# Allegro board meta_module_lay_rev1.brd (continued)
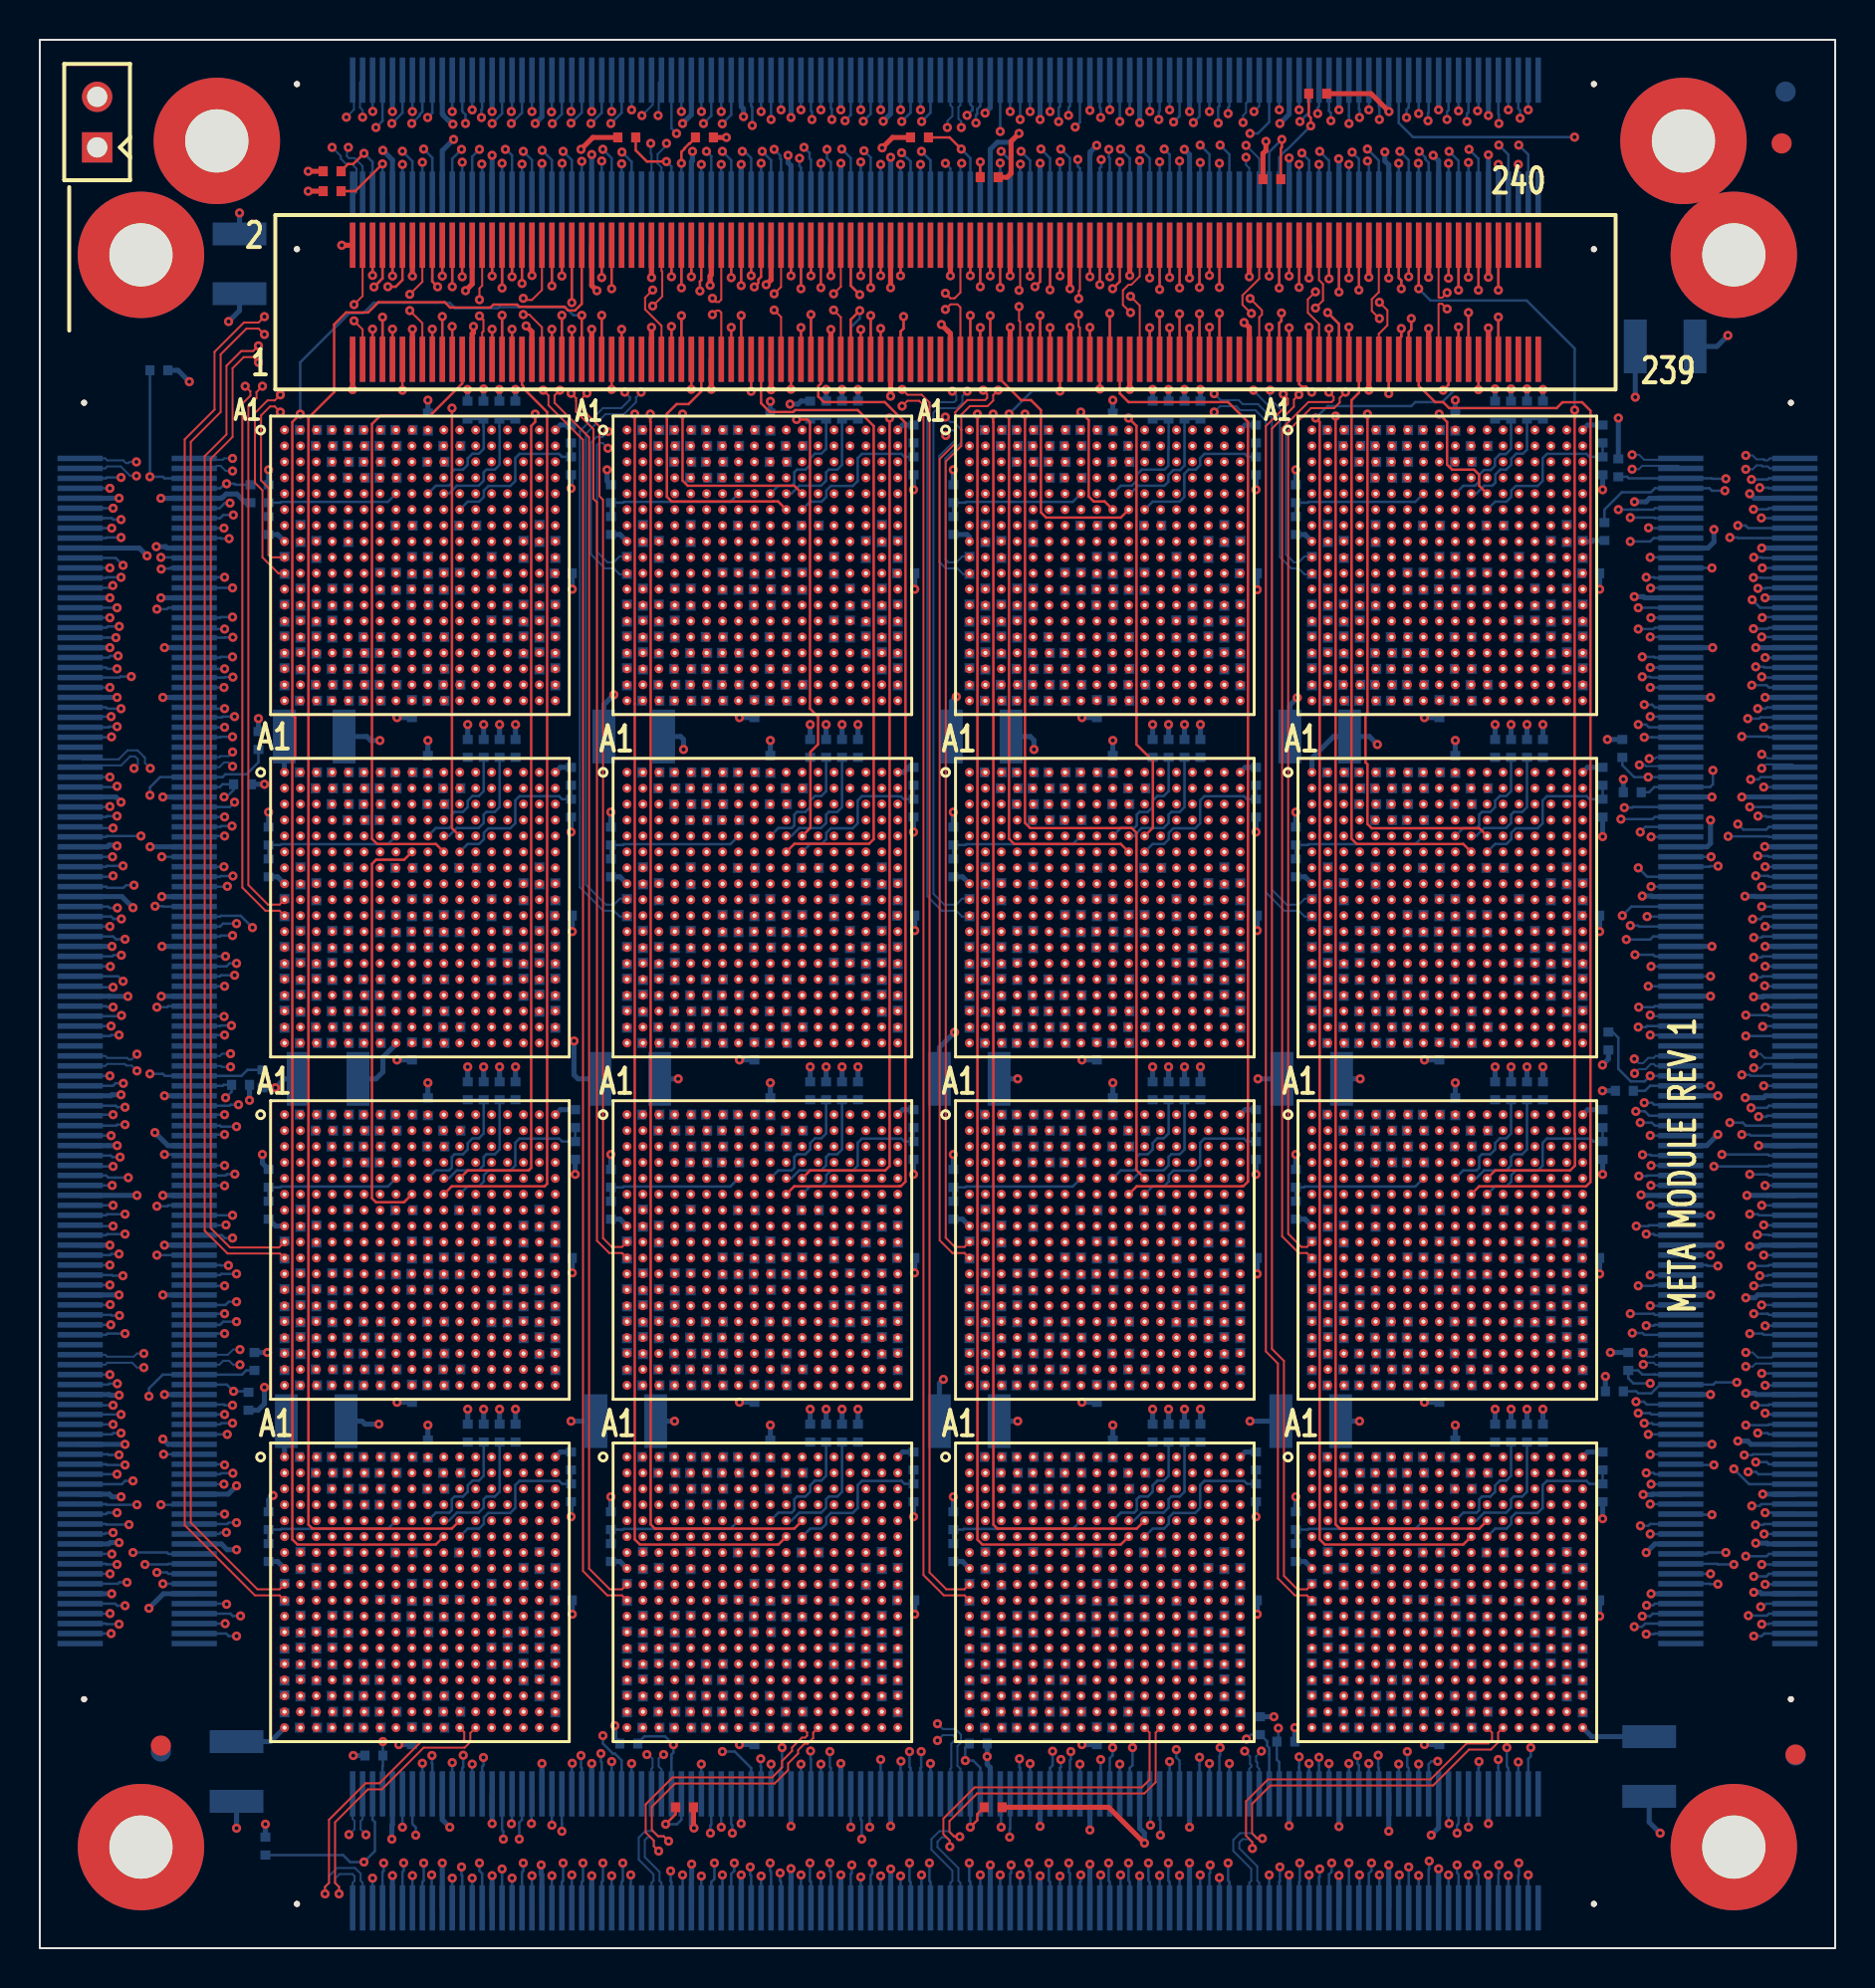
[diagram p0: board, top side]
## Routing (per net, layer and track width the routed paths; a pad name or vN(x,y) marks a point on that pad's centre or on a via; arc(x,y) is an arc through that point) (continued)
SN_DATA_N31: length 12.6
  SIGNAL_L12 w0.083: U6.V17 75.88,44.67 75.88,43.68 74.68,42.48 74.68,40.88 74.51,40.71 74.2,40.71 73.92,40.43 73.92,40.19 73.61,39.88 70.17,39.88 69.92,39.63 69.92,39.33 69.68,39.09 69.08,39.09 U13.D7
SN_DATA_P0: length 10.3
  SIGNAL_L6 w0.083: U11.A3 16.1,44.09 18.89,44.09 19.91,45.11 19.91,47.5 U4.R11
SN_DATA_P0_SNOW4-1: length 10.3
  SIGNAL_L6 w0.083: U4.A3 16.27,61.46 19.06,61.46 19.91,62.31 19.91,64.7 U3.R11
SN_DATA_P0_SNOW4-2: length 10.3
  SIGNAL_L6 w0.083: U7.R11 54.31,64.7 54.31,62.31 53.29,61.29 51.52,61.29 49.67,59.45 48.66,59.45 U8.A3
SN_DATA_P0_SNOW4-3: length 10.3
  SIGNAL_L6 w0.083: U11.R11 19.91,30.3 19.91,27.91 18.89,26.89 16.1,26.89 U12.A3
SN_DATA_P0_SNOW4-4: length 10.3
  SIGNAL_L6 w0.083: U15.R11 54.31,30.3 54.31,27.91 53.29,26.89 51.49,26.89 49.65,25.05 48.66,25.05 U16.A3
SN_DATA_P1: length 13.4
  SIGNAL_L3 w0.083: U4.T12 20.67,47.5 14.57,47.5 14.31,47.24 14.31,41.46 14.43,41.34 U11.B4
SN_DATA_P1_SNOW4-1: length 13.4
  SIGNAL_L3 w0.083: U3.T12 20.67,64.7 14.57,64.7 14.31,64.44 14.31,64.11 14.3,64.1 14.3,63.89 14.29,63.88 14.29,58.68 U4.B4
SN_DATA_P1_SNOW4-2: length 13.4
  SIGNAL_L3 w0.083: U7.T12 55.07,64.7 48.97,64.7 48.71,64.44 48.71,64.11 48.7,64.1 48.7,63.89 48.69,63.88 48.69,58.68 U8.B4
SN_DATA_P1_SNOW4-3: length 13.4
  SIGNAL_L3 w0.083: U11.T12 20.67,30.3 14.57,30.3 14.31,30.04 14.31,24.26 14.43,24.14 U12.B4
SN_DATA_P1_SNOW4-4: length 13.4
  SIGNAL_L3 w0.083: U15.T12 55.07,30.3 48.97,30.3 48.7,30.03 48.7,24.27 48.83,24.14 U16.B4
SN_DATA_P2: length 16
  SIGNAL_L6 w0.083: U11.C5 15.09,40.68 15.09,41.22 15.33,41.46 20.45,41.46 20.69,41.22 20.69,40.88 20.89,40.68 22.88,40.68 23.09,40.89 23.09,42.49 21.9,43.68 21.9,44.7 22.29,45.09 22.29,45.88 U4.U13
SN_DATA_P2_SNOW4-1: length 16
  SIGNAL_L6 w0.083: U3.U13 22.29,63.08 22.29,62.29 21.9,61.9 21.9,60.88 23.09,59.69 23.09,58.09 22.88,57.88 20.89,57.88 20.69,58.09 20.69,58.42 20.45,58.66 15.33,58.66 15.09,58.42 15.09,57.88 U4.C5
SN_DATA_P2_SNOW4-2: length 16
  SIGNAL_L6 w0.083: U8.C5 49.49,57.88 49.49,58.42 49.73,58.66 54.85,58.66 55.09,58.42 55.09,58.09 55.29,57.88 57.28,57.88 57.49,58.09 57.49,59.69 56.3,60.88 56.3,61.9 56.69,62.29 56.69,63.08 U7.U13
SN_DATA_P2_SNOW4-3: length 16
  SIGNAL_L6 w0.083: U12.C5 15.09,23.48 15.09,24.02 15.33,24.26 20.45,24.26 20.69,24.02 20.69,23.69 20.89,23.48 22.88,23.48 23.09,23.69 23.09,25.29 21.9,26.48 21.9,27.5 22.29,27.89 22.29,28.68 U11.U13
SN_DATA_P2_SNOW4-4: length 16
  SIGNAL_L6 w0.083: U16.C5 49.49,23.48 49.49,24.02 49.73,24.26 54.85,24.26 55.09,24.02 55.09,23.69 55.29,23.48 57.28,23.48 57.49,23.69 57.49,25.29 56.3,26.48 56.3,27.5 56.69,27.89 56.69,28.68 U15.U13
SN_DATA_P3: length 13.5
  SIGNAL_L3 w0.083: U11.D6 15.89,39.88 15.89,45.77 16.01,45.88 22.29,45.88 U4.V14
SN_DATA_P3_SNOW4-1: length 13.5
  SIGNAL_L3 w0.083: U3.V14 22.29,63.08 16.01,63.08 15.89,62.97 15.89,57.08 U4.D6
SN_DATA_P3_SNOW4-2: length 13.5
  SIGNAL_L3 w0.083: U8.D6 50.3,57.07 50.3,62.98 50.41,63.08 56.69,63.08 U7.V14
SN_DATA_P3_SNOW4-3: length 13.5
  SIGNAL_L3 w0.083: U12.D6 15.89,22.68 15.89,28.57 16.01,28.68 22.29,28.68 U11.V14
SN_DATA_P3_SNOW4-4: length 13.5
  SIGNAL_L3 w0.083: U16.D6 50.29,22.68 50.29,28.57 50.41,28.68 56.69,28.68 U15.V14
SN_DATA_P4: length 13.4
  SIGNAL_L12 w0.083: U11.A5 15.49,42.87 14.28,44.08 14.28,46.39 14.6,46.71 14.84,46.71 15.12,46.99 15.12,47.23 15.4,47.51 21.52,47.51 U4.R13
SN_DATA_P4_SNOW4-1: length 13.4
  SIGNAL_L12 w0.083: U3.R13 21.52,64.71 15.4,64.71 15.12,64.43 15.12,64.19 14.84,63.91 14.6,63.91 14.28,63.59 14.28,61.28 15.49,60.07 U4.A5
SN_DATA_P4_SNOW4-2: length 13.4
  SIGNAL_L12 w0.083: U7.R13 55.92,64.71 49.8,64.71 49.52,64.43 49.52,64.19 49.24,63.91 49,63.91 48.68,63.59 48.68,60.29 U8.A5
SN_DATA_P4_SNOW4-3: length 13.4
  SIGNAL_L12 w0.083: U11.R13 21.52,30.31 15.4,30.31 15.12,30.03 15.12,29.79 14.84,29.51 14.6,29.51 14.28,29.19 14.28,26.88 15.49,25.67 U12.A5
SN_DATA_P4_SNOW4-4: length 13.4
  SIGNAL_L12 w0.083: U15.R13 55.92,30.31 49.8,30.31 49.52,30.03 49.52,29.79 49.24,29.51 49,29.51 48.68,29.19 48.68,25.89 U16.A5
SN_DATA_P5: length 12.6
  SIGNAL_L12 w0.083: U4.T14 22.32,46.71 21.8,46.71 21.46,46.37 21.46,46.13 21.21,45.88 16.08,45.88 15.88,45.68 15.88,44.08 16.66,43.3 16.66,41.45 U11.B6
SN_DATA_P5_SNOW4-1: length 12.6
  SIGNAL_L12 w0.083: U4.B6 16.66,58.65 16.66,60.5 15.88,61.28 15.88,62.88 16.08,63.08 21.21,63.08 21.46,63.33 21.46,63.57 21.8,63.91 22.32,63.91 U3.T14
SN_DATA_P5_SNOW4-2: length 12.6
  SIGNAL_L12 w0.083: U8.B6 51.06,58.65 51.06,60.5 50.28,61.28 50.28,62.88 50.48,63.08 55.61,63.08 55.86,63.33 55.86,63.57 56.2,63.91 56.72,63.91 U7.T14
SN_DATA_P5_SNOW4-3: length 12.6
  SIGNAL_L12 w0.083: U12.B6 16.66,24.25 16.66,26.1 15.88,26.88 15.88,28.48 16.08,28.68 21.21,28.68 21.46,28.93 21.46,29.17 21.8,29.51 22.32,29.51 U11.T14
SN_DATA_P5_SNOW4-4: length 12.6
  SIGNAL_L12 w0.083: U16.B6 51.06,24.25 51.06,26.1 50.28,26.88 50.28,28.48 50.48,28.68 55.61,28.68 55.86,28.93 55.86,29.17 56.2,29.51 56.72,29.51 U15.T14
SN_DATA_P6: length 15.8
  SIGNAL_L6 w0.083: U4.U15 23.89,45.88 23.89,45.09 23.5,44.7 23.5,43.46 24.69,42.27 24.69,40.94 24.44,40.69 24.16,40.69 23.89,40.42 23.89,40.09 23.69,39.89 23.29,39.89 23.09,39.69 23.09,39.29 22.89,39.09 17.6,39.09 17.49,39.2 17.49,39.88 U11.C7
SN_DATA_P6_SNOW4-1: length 15.8
  SIGNAL_L6 w0.083: U4.C7 17.49,57.08 17.49,56.4 17.6,56.29 22.89,56.29 23.09,56.49 23.09,56.89 23.29,57.09 23.69,57.09 23.89,57.29 23.89,57.62 24.16,57.89 24.44,57.89 24.69,58.14 24.69,59.47 23.5,60.66 23.5,61.9 23.89,62.29 23.89,63.08 U3.U15
SN_DATA_P6_SNOW4-2: length 15.8
  SIGNAL_L6 w0.083: U8.C7 51.89,57.08 51.89,56.4 52,56.29 57.29,56.29 57.49,56.49 57.49,56.89 57.69,57.09 58.09,57.09 58.29,57.29 58.29,57.62 58.56,57.89 58.84,57.89 59.09,58.14 59.09,59.47 57.9,60.66 57.9,61.9 58.29,62.29 58.29,63.08 U7.U15
SN_DATA_P6_SNOW4-3: length 15.8
  SIGNAL_L6 w0.083: U12.C7 17.49,22.68 17.49,22 17.6,21.89 22.89,21.89 23.09,22.09 23.09,22.49 23.29,22.69 23.69,22.69 23.89,22.89 23.89,23.22 24.16,23.49 24.44,23.49 24.69,23.74 24.69,25.07 23.5,26.26 23.5,27.5 23.89,27.89 23.89,28.68 U11.U15
SN_DATA_P6_SNOW4-4: length 15.8
  SIGNAL_L6 w0.083: U16.C7 51.89,22.68 51.89,22 52,21.89 57.29,21.89 57.49,22.09 57.49,22.49 57.69,22.69 58.09,22.69 58.29,22.89 58.29,23.22 58.56,23.49 58.84,23.49 59.09,23.74 59.09,25.07 57.9,26.26 57.9,27.5 58.29,27.89 58.29,28.68 U15.U15
SN_DATA_P7: length 10.7
  SIGNAL_L12 w0.083: U4.V16 23.48,44.67 23.48,43.88 22.28,42.68 22.28,40.88 22.06,40.66 18.53,40.66 18.28,40.4 18.28,39.87 U11.D8
SN_DATA_P7_SNOW4-1: length 10.7
  SIGNAL_L12 w0.083: U4.D8 18.28,57.07 18.28,57.6 18.53,57.86 22.06,57.86 22.28,58.08 22.28,59.88 23.48,61.08 23.48,61.87 U3.V16
SN_DATA_P7_SNOW4-2: length 10.7
  SIGNAL_L12 w0.083: U8.D8 52.68,57.07 52.68,57.6 52.93,57.86 56.46,57.86 56.68,58.08 56.68,59.88 57.88,61.08 57.88,61.87 U7.V16
SN_DATA_P7_SNOW4-3: length 10.7
  SIGNAL_L12 w0.083: U11.V16 23.48,27.47 23.48,26.68 22.32,25.52 22.32,23.72 22.06,23.46 18.53,23.46 18.28,23.2 18.28,22.67 U12.D8
SN_DATA_P7_SNOW4-4: length 10.7
  SIGNAL_L12 w0.083: U15.V16 57.88,27.47 57.88,26.68 56.68,25.48 56.68,23.68 56.46,23.46 52.93,23.46 52.68,23.2 52.68,22.67 U16.D8
SN_DATA_P8: length 10.3
  SIGNAL_L6 w0.083: U9.A3 31.46,42.25 32.1,42.25 33.94,44.09 36.09,44.09 37.11,45.11 37.11,47.5 U2.R11
SN_DATA_P8_SNOW4-1: length 10.3
  SIGNAL_L6 w0.083: U2.A3 31.46,59.45 32.3,59.45 34.14,61.29 36.09,61.29 37.11,62.31 37.11,64.7 U1.R11
SN_DATA_P8_SNOW4-2: length 10.3
  SIGNAL_L6 w0.083: U5.R11 71.51,64.7 71.51,62.31 70.49,61.29 68.69,61.29 66.85,59.45 65.86,59.45 U6.A3
SN_DATA_P8_SNOW4-3: length 10.3
  SIGNAL_L6 w0.083: U9.R11 37.11,30.3 37.11,27.91 36.09,26.89 34.14,26.89 32.3,25.05 31.46,25.05 U10.A3
SN_DATA_P8_SNOW4-4: length 10.2
  SIGNAL_L6 w0.083: U14.A3 65.86,25.05 66.65,25.05 68.49,26.89 70.29,26.89 71.51,28.11 71.51,30.3 U13.R11
SN_DATA_P9: length 13.4
  SIGNAL_L3 w0.083: U2.T12 37.87,47.5 31.77,47.5 31.5,47.23 31.5,41.47 31.63,41.34 U9.B4
SN_DATA_P9_SNOW4-1: length 13.4
  SIGNAL_L3 w0.083: U2.B4 31.49,58.68 31.49,63.88 31.5,63.89 31.5,64.1 31.51,64.11 31.51,64.44 31.77,64.7 37.87,64.7 U1.T12
SN_DATA_P9_SNOW4-2: length 13.4
  SIGNAL_L3 w0.083: U5.T12 72.27,64.7 66.17,64.7 65.91,64.44 65.91,64.11 65.9,64.1 65.9,63.89 65.89,63.88 65.89,58.68 U6.B4
SN_DATA_P9_SNOW4-3: length 13.4
  SIGNAL_L3 w0.083: U10.B4 31.63,24.14 31.5,24.27 31.5,30.03 31.77,30.3 37.87,30.3 U9.T12
SN_DATA_P9_SNOW4-4: length 13.4
  SIGNAL_L3 w0.083: U14.B4 66.03,24.14 65.88,24.29 65.88,30.01 66.17,30.3 72.27,30.3 U13.T12
SN_DATA_P10: length 16
  SIGNAL_L6 w0.083: U9.C5 32.29,40.68 32.29,41.22 32.53,41.46 37.65,41.46 37.89,41.22 37.89,40.88 38.09,40.68 40.08,40.68 40.29,40.89 40.29,42.49 39.1,43.68 39.1,44.7 39.49,45.09 39.49,45.88 U2.U13
SN_DATA_P10_SNOW4-1: length 16
  SIGNAL_L6 w0.083: U2.C5 32.29,57.88 32.29,58.42 32.53,58.66 37.65,58.66 37.89,58.42 37.89,58.09 38.09,57.88 40.08,57.88 40.29,58.09 40.29,59.69 39.1,60.88 39.1,61.9 39.49,62.29 39.49,63.08 U1.U13
SN_DATA_P10_SNOW4-2: length 16
  SIGNAL_L6 w0.083: U6.C5 66.69,57.88 66.69,58.42 66.93,58.66 72.05,58.66 72.29,58.42 72.29,58.09 72.49,57.88 74.48,57.88 74.69,58.09 74.69,59.69 73.5,60.88 73.5,61.9 73.89,62.29 73.89,63.08 U5.U13
SN_DATA_P10_SNOW4-3: length 16
  SIGNAL_L6 w0.083: U10.C5 32.29,23.48 32.29,24.02 32.53,24.26 37.65,24.26 37.89,24.02 37.89,23.69 38.09,23.48 40.08,23.48 40.29,23.69 40.29,25.29 39.1,26.48 39.1,27.5 39.49,27.89 39.49,28.68 U9.U13
SN_DATA_P10_SNOW4-4: length 16
  SIGNAL_L6 w0.083: U13.U13 73.89,28.68 73.89,27.89 73.5,27.5 73.5,26.48 74.69,25.29 74.69,23.69 74.48,23.48 72.49,23.48 72.29,23.69 72.29,24.02 72.05,24.26 66.93,24.26 66.69,24.02 66.69,23.48 U14.C5
SN_DATA_P11: length 13.5
  SIGNAL_L3 w0.083: U2.V14 39.49,45.88 33.21,45.88 33.09,45.77 33.09,39.88 U9.D6
SN_DATA_P11_SNOW4-1: length 13.5
  SIGNAL_L3 w0.083: U2.D6 33.09,57.08 33.09,62.97 33.21,63.08 39.49,63.08 U1.V14
SN_DATA_P11_SNOW4-2: length 13.5
  SIGNAL_L3 w0.083: U6.D6 67.49,57.08 67.49,59.49 67.58,59.58 67.58,62.13 67.48,62.23 67.48,62.95 67.61,63.08 73.89,63.08 U5.V14
SN_DATA_P11_SNOW4-3: length 13.5
  SIGNAL_L3 w0.083: U10.D6 33.09,22.68 33.09,28.57 33.21,28.68 39.49,28.68 U9.V14
SN_DATA_P11_SNOW4-4: length 13.5
  SIGNAL_L3 w0.083: U14.D6 67.49,22.68 67.49,28.57 67.61,28.68 73.89,28.68 U13.V14
SN_DATA_P12: length 13.4
  SIGNAL_L12 w0.083: U9.A5 31.48,43.09 31.48,46.39 31.8,46.71 32.04,46.71 32.32,46.99 32.32,47.23 32.6,47.51 38.72,47.51 U2.R13
SN_DATA_P12_SNOW4-1: length 13.4
  SIGNAL_L12 w0.083: U2.A5 31.48,60.29 31.48,63.59 31.8,63.91 32.04,63.91 32.32,64.19 32.32,64.43 32.6,64.71 38.72,64.71 U1.R13
SN_DATA_P12_SNOW4-2: length 13.4
  SIGNAL_L12 w0.083: U5.R13 73.12,64.71 67,64.71 66.72,64.43 66.72,64.19 66.44,63.91 66.2,63.91 65.88,63.59 65.88,60.29 U6.A5
SN_DATA_P12_SNOW4-3: length 13.4
  SIGNAL_L12 w0.083: U10.A5 31.48,25.89 31.48,29.19 31.8,29.51 32.04,29.51 32.32,29.79 32.32,30.03 32.6,30.31 38.72,30.31 U9.R13
SN_DATA_P12_SNOW4-4: length 13.4
  SIGNAL_L12 w0.083: U13.R13 73.12,30.31 67,30.31 66.72,30.03 66.72,29.79 66.44,29.51 66.2,29.51 65.88,29.19 65.88,25.89 U14.A5
SN_DATA_P13: length 12.6
  SIGNAL_L12 w0.083: U9.B6 33.86,41.45 33.86,43.3 33.08,44.08 33.08,45.68 33.28,45.88 38.41,45.88 38.66,46.13 38.66,46.37 39,46.71 39.52,46.71 U2.T14
SN_DATA_P13_SNOW4-1: length 12.6
  SIGNAL_L12 w0.083: U2.B6 33.86,58.65 33.86,60.5 33.08,61.28 33.08,62.88 33.28,63.08 38.41,63.08 38.66,63.33 38.66,63.57 39,63.91 39.52,63.91 U1.T14
SN_DATA_P13_SNOW4-2: length 12.6
  SIGNAL_L12 w0.083: U6.B6 68.26,58.65 68.26,61 67.48,61.78 67.48,62.88 67.68,63.08 72.81,63.08 73.06,63.33 73.06,63.57 73.4,63.91 73.92,63.91 U5.T14
SN_DATA_P13_SNOW4-3: length 12.6
  SIGNAL_L12 w0.083: U9.T14 39.52,29.51 39,29.51 38.66,29.17 38.66,28.93 38.41,28.68 33.28,28.68 33.08,28.48 33.08,26.88 33.86,26.1 33.86,24.25 U10.B6
SN_DATA_P13_SNOW4-4: length 12.6
  SIGNAL_L12 w0.083: U13.T14 73.92,29.51 73.4,29.51 73.06,29.17 73.06,28.93 72.81,28.68 67.68,28.68 67.48,28.48 67.48,26.88 68.26,26.1 68.26,24.25 U14.B6
SN_DATA_P14: length 15.8
  SIGNAL_L6 w0.083: U9.C7 34.69,39.88 34.69,39.2 34.8,39.09 40.09,39.09 40.29,39.29 40.29,39.69 40.49,39.89 40.89,39.89 41.09,40.09 41.09,40.42 41.36,40.69 41.64,40.69 41.89,40.94 41.89,42.27 40.7,43.46 40.7,44.7 41.09,45.09 41.09,45.88 U2.U15
SN_DATA_P14_SNOW4-1: length 15.8
  SIGNAL_L6 w0.083: U1.U15 41.09,63.08 41.09,62.29 40.7,61.9 40.7,60.66 41.89,59.47 41.89,58.14 41.64,57.89 41.36,57.89 41.09,57.62 41.09,57.29 40.89,57.09 40.49,57.09 40.29,56.89 40.29,56.49 40.09,56.29 34.8,56.29 34.69,56.4 34.69,57.08 U2.C7
SN_DATA_P14_SNOW4-2: length 15.8
  SIGNAL_L6 w0.083: U5.U15 75.49,63.08 75.49,62.29 75.1,61.9 75.1,60.66 76.29,59.47 76.29,58.14 76.04,57.89 75.76,57.89 75.49,57.62 75.49,57.29 75.29,57.09 74.89,57.09 74.69,56.89 74.69,56.49 74.49,56.29 69.2,56.29 69.09,56.4 69.09,57.08 U6.C7
SN_DATA_P14_SNOW4-3: length 15.8
  SIGNAL_L6 w0.083: U10.C7 34.69,22.68 34.69,22 34.8,21.89 40.09,21.89 40.29,22.09 40.29,22.49 40.49,22.69 40.89,22.69 41.09,22.89 41.09,23.22 41.36,23.49 41.64,23.49 41.89,23.74 41.89,25.07 40.7,26.26 40.7,27.5 41.09,27.89 41.09,28.68 U9.U15
SN_DATA_P14_SNOW4-4: length 15.8
  SIGNAL_L6 w0.083: U13.U15 75.49,28.68 75.49,27.89 75.1,27.5 75.1,26.26 76.29,25.07 76.29,23.74 76.04,23.49 75.76,23.49 75.49,23.22 75.49,22.89 75.29,22.69 74.89,22.69 74.69,22.49 74.69,22.09 74.49,21.89 69.2,21.89 69.09,22 69.09,22.68 U14.C7
SN_DATA_P15: length 10.7
  SIGNAL_L12 w0.083: U2.V16 40.68,44.67 40.68,43.88 39.48,42.68 39.48,40.88 39.26,40.66 35.73,40.66 35.48,40.4 35.48,39.87 U9.D8
SN_DATA_P15_SNOW4-1: length 10.7
  SIGNAL_L12 w0.083: U1.V16 40.68,61.87 40.68,61.08 39.48,59.88 39.48,58.08 39.26,57.86 35.73,57.86 35.48,57.6 35.48,57.07 U2.D8
SN_DATA_P15_SNOW4-2: length 10.7
  SIGNAL_L12 w0.083: U5.V16 75.08,61.87 75.08,61.08 73.88,59.88 73.88,58.08 73.66,57.86 70.13,57.86 69.88,57.6 69.88,57.07 U6.D8
SN_DATA_P15_SNOW4-3: length 10.7
  SIGNAL_L12 w0.083: U10.D8 35.48,22.67 35.48,23.2 35.73,23.46 39.26,23.46 39.48,23.68 39.48,25.48 40.68,26.68 40.68,27.47 U9.V16
SN_DATA_P15_SNOW4-4: length 10.7
  SIGNAL_L12 w0.083: U13.V16 75.08,27.47 75.08,26.68 73.88,25.48 73.88,23.68 73.66,23.46 70.13,23.46 69.88,23.2 69.88,22.67 U14.D8
SN_DATA_P16: length 10.3
  SIGNAL_L6 w0.083: U15.A3 48.66,42.25 49.55,42.25 51.39,44.09 53.29,44.09 54.31,45.11 54.31,47.5 U8.R11
SN_DATA_P17: length 13.4
  SIGNAL_L3 w0.083: U8.T12 55.07,47.5 48.97,47.5 48.7,47.23 48.7,43.88 48.66,43.83 48.66,43.53 48.7,43.48 48.7,41.47 48.83,41.34 U15.B4
SN_DATA_P18: length 16
  SIGNAL_L6 w0.083: U8.U13 56.69,45.88 56.69,45.09 56.3,44.7 56.3,43.68 57.49,42.49 57.49,40.89 57.28,40.68 55.29,40.68 55.09,40.88 55.09,41.22 54.85,41.46 49.73,41.46 49.49,41.22 49.49,40.68 U15.C5
SN_DATA_P19: length 13.5
  SIGNAL_L3 w0.083: U15.D6 50.29,39.88 50.29,45.77 50.41,45.88 56.69,45.88 U8.V14
SN_DATA_P20: length 13.4
  SIGNAL_L12 w0.083: U8.R13 55.92,47.51 49.8,47.51 49.52,47.23 49.52,46.99 49.24,46.71 49,46.71 48.68,46.39 48.68,43.86 48.66,43.83 48.66,43.53 48.68,43.5 48.68,43.09 U15.A5
SN_DATA_P21: length 12.6
  SIGNAL_L12 w0.083: U8.T14 56.72,46.71 56.2,46.71 55.86,46.37 55.86,46.13 55.61,45.88 50.48,45.88 50.28,45.68 50.28,44.08 51.06,43.3 51.06,41.45 U15.B6
SN_DATA_P22: length 15.8
  SIGNAL_L6 w0.083: U15.C7 51.89,39.88 51.89,39.2 52,39.09 57.29,39.09 57.49,39.29 57.49,39.69 57.69,39.89 58.09,39.89 58.29,40.09 58.29,40.42 58.56,40.69 58.84,40.69 59.09,40.94 59.09,42.27 57.9,43.46 57.9,44.7 58.29,45.09 58.29,45.88 U8.U15
SN_DATA_P23: length 10.7
  SIGNAL_L12 w0.083: U8.V16 57.88,44.67 57.88,43.88 56.68,42.68 56.68,40.88 56.46,40.66 52.93,40.66 52.68,40.4 52.68,39.87 U15.D8
SN_DATA_P24: length 10.3
  SIGNAL_L6 w0.083: U6.R11 71.51,47.5 71.51,45.11 70.49,44.09 68.34,44.09 66.5,42.25 65.86,42.25 U13.A3
SN_DATA_P25: length 13.4
  SIGNAL_L3 w0.083: U6.T12 72.27,47.5 66.17,47.5 65.9,47.23 65.9,43.88 65.86,43.83 65.86,43.53 65.9,43.48 65.9,41.47 66.03,41.34 U13.B4
SN_DATA_P26: length 16
  SIGNAL_L6 w0.083: U6.U13 73.89,45.88 73.89,45.09 73.5,44.7 73.5,43.68 74.69,42.49 74.69,40.89 74.48,40.68 72.49,40.68 72.29,40.88 72.29,41.22 72.05,41.46 66.93,41.46 66.69,41.22 66.69,40.68 U13.C5
SN_DATA_P27: length 13.5
  SIGNAL_L3 w0.083: U6.V14 73.89,45.88 67.61,45.88 67.49,45.77 67.49,39.88 U13.D6
SN_DATA_P28: length 13.4
  SIGNAL_L12 w0.083: U6.R13 73.12,47.51 67,47.51 66.72,47.23 66.72,46.99 66.44,46.71 66.2,46.71 65.88,46.39 65.88,43.86 65.86,43.83 65.86,43.53 65.88,43.5 65.88,43.09 U13.A5
SN_DATA_P29: length 12.6
  SIGNAL_L12 w0.083: U6.T14 73.92,46.71 73.4,46.71 73.06,46.37 73.06,46.13 72.81,45.88 67.68,45.88 67.48,45.68 67.48,44.08 68.26,43.3 68.26,41.45 U13.B6
SN_DATA_P30: length 15.8
  SIGNAL_L6 w0.083: U6.U15 75.49,45.88 75.49,45.09 75.1,44.7 75.1,43.46 76.29,42.27 76.29,40.94 76.04,40.69 75.76,40.69 75.49,40.42 75.49,40.09 75.29,39.89 74.89,39.89 74.69,39.69 74.69,39.29 74.49,39.09 69.2,39.09 69.09,39.2 69.09,39.88 U13.C7
SN_DATA_P31: length 10.7
  SIGNAL_L12 w0.083: U6.V16 75.08,44.67 75.08,43.88 73.88,42.68 73.88,40.88 73.66,40.66 70.13,40.66 69.88,40.4 69.88,39.87 U13.D8
SN_FRAME_N0: length 10.2
  SIGNAL_L10 w0.083: U11.B7 16.69,41.48 16.69,48.08 16.89,48.28 19.09,48.28 U4.R10
SN_FRAME_N0_SNOW4-1: length 10.2
  SIGNAL_L10 w0.083: U4.B7 16.69,58.68 16.69,65.28 16.89,65.48 19.09,65.48 U3.R10
SN_FRAME_N0_SNOW4-2: length 10.2
  SIGNAL_L10 w0.083: U8.B7 51.09,58.68 51.09,65.28 51.29,65.48 53.49,65.48 U7.R10
SN_FRAME_N0_SNOW4-3: length 10.2
  SIGNAL_L10 w0.083: U11.R10 19.09,31.08 16.89,31.08 16.69,30.88 16.69,26.52 16.66,26.48 16.66,26.18 16.69,26.14 16.69,24.28 U12.B7
SN_FRAME_N0_SNOW4-4: length 10.2
  SIGNAL_L10 w0.083: U16.B7 51.09,24.28 51.09,30.88 51.29,31.08 53.49,31.08 U15.R10
SN_FRAME_N1: length 10.2
  SIGNAL_L10 w0.083: U9.B7 33.89,41.48 33.89,48.08 34.09,48.28 36.29,48.28 U2.R10
SN_FRAME_N1_SNOW4-1: length 10.2
  SIGNAL_L10 w0.083: U1.R10 36.29,65.48 34.09,65.48 33.89,65.28 33.89,58.68 U2.B7
SN_FRAME_N1_SNOW4-2: length 10.2
  SIGNAL_L10 w0.083: U5.R10 70.69,65.48 68.49,65.48 68.29,65.28 68.29,58.68 U6.B7
SN_FRAME_N1_SNOW4-3: length 10.2
  SIGNAL_L10 w0.083: U9.R10 36.29,31.08 34.09,31.08 33.89,30.88 33.89,24.28 U10.B7
SN_FRAME_N1_SNOW4-4: length 10.2
  SIGNAL_L10 w0.083: U14.B7 68.29,24.28 68.29,30.88 68.49,31.08 70.69,31.08 U13.R10
SN_FRAME_N2: length 10.2
  SIGNAL_L10 w0.083: U15.B7 51.09,41.48 51.09,48.08 51.29,48.28 53.49,48.28 U8.R10
SN_FRAME_N3: length 10.2
  SIGNAL_L10 w0.083: U6.R10 70.69,48.28 68.49,48.28 68.29,48.08 68.29,41.48 U13.B7
SN_FRAME_P0: length 7.8
  SIGNAL_L10 w0.083: U11.B8 17.49,41.48 17.49,47.28 17.72,47.51 18.32,47.51 U4.R9
SN_FRAME_P0_SNOW4-1: length 7.8
  SIGNAL_L10 w0.083: U3.R9 18.32,64.71 17.72,64.71 17.49,64.48 17.49,58.68 U4.B8
SN_FRAME_P0_SNOW4-2: length 7.8
  SIGNAL_L10 w0.083: U8.B8 51.89,58.68 51.89,64.48 52.12,64.71 52.72,64.71 U7.R9
SN_FRAME_P0_SNOW4-3: length 7.8
  SIGNAL_L10 w0.083: U12.B8 17.49,24.28 17.49,30.08 17.72,30.31 18.32,30.31 U11.R9
SN_FRAME_P0_SNOW4-4: length 7.8
  SIGNAL_L10 w0.083: U16.B8 51.89,24.28 51.89,30.08 52.12,30.31 52.72,30.31 U15.R9
SN_FRAME_P1: length 7.8
  SIGNAL_L10 w0.083: U9.B8 34.69,41.48 34.69,47.28 34.92,47.51 35.52,47.51 U2.R9
SN_FRAME_P1_SNOW4-1: length 7.8
  SIGNAL_L10 w0.083: U1.R9 35.52,64.71 34.92,64.71 34.69,64.48 34.69,58.68 U2.B8
SN_FRAME_P1_SNOW4-2: length 7.8
  SIGNAL_L10 w0.083: U6.B8 69.09,58.68 69.09,64.48 69.32,64.71 69.92,64.71 U5.R9
SN_FRAME_P1_SNOW4-3: length 7.8
  SIGNAL_L10 w0.083: U9.R9 35.52,30.31 34.92,30.31 34.69,30.08 34.69,24.28 U10.B8
SN_FRAME_P1_SNOW4-4: length 7.8
  SIGNAL_L10 w0.083: U14.B8 69.09,24.28 69.09,30.08 69.32,30.31 69.92,30.31 U13.R9
SN_FRAME_P2: length 7.8
  SIGNAL_L10 w0.083: U8.R9 52.72,47.51 52.12,47.51 51.89,47.28 51.89,41.48 U15.B8
SN_FRAME_P3: length 7.8
  SIGNAL_L10 w0.083: U6.R9 69.92,47.51 69.32,47.51 69.09,47.28 69.09,41.48 U13.B8
SN_LCLK_N0: length 8
  SIGNAL_L3 w0.081: U11.A6 16.67,41.5 17.25,41.5 17.48,41.73 17.48,42.38 19.78,44.68 21.41,44.68 21.68,44.95 21.68,45.27 U4.V13
SN_LCLK_N0_SNOW4-1: length 8
  SIGNAL_L3 w0.081: U3.V13 21.66,62.45 21.66,62.12 21.37,61.83 19.73,61.83 17.46,59.56 17.46,58.91 17.24,58.7 16.67,58.7 U4.A6
SN_LCLK_N0_SNOW4-2: length 8
  SIGNAL_L3 w0.081: U8.A6 51.06,58.71 51.64,58.71 51.86,58.93 51.86,59.66 53.65,61.45 55.33,61.45 56.06,62.18 56.06,62.45 U7.V13
SN_LCLK_N0_SNOW4-3: length 8
  SIGNAL_L3 w0.081: U12.A6 16.69,24.29 17.23,24.29 17.48,24.53 17.48,25.18 19.75,27.45 21.35,27.45 21.65,27.75 21.65,28.04 U11.V13
SN_LCLK_N0_SNOW4-4: length 8
  SIGNAL_L3 w0.081: U15.V13 56.08,28.07 56.08,27.75 55.81,27.48 54.08,27.48 51.87,25.27 51.87,24.54 51.64,24.31 51.06,24.31 U16.A6
SN_LCLK_N1: length 8
  SIGNAL_L3 w0.081: U9.A6 33.86,41.51 34.44,41.51 34.66,41.73 34.66,42.49 36.85,44.68 38.55,44.68 38.86,44.99 38.86,45.25 U2.V13
SN_LCLK_N1_SNOW4-1: length 8
  SIGNAL_L3 w0.081: U1.V13 38.86,62.45 38.86,62.17 38.37,61.68 36.75,61.68 34.66,59.59 34.66,58.92 34.43,58.7 33.9,58.7 33.52,59.08 U2.A6
SN_LCLK_N1_SNOW4-2: length 7.9
  SIGNAL_L3 w0.081: U5.V13 73.26,62.45 73.26,62.19 72.35,61.28 70.88,61.28 69.06,59.46 69.06,58.93 68.81,58.68 68.32,58.68 67.92,59.08 U6.A6
SN_LCLK_N1_SNOW4-3: length 8
  SIGNAL_L3 w0.081: U10.A6 33.86,24.31 34.44,24.31 34.45,24.32 34.66,24.53 34.66,25.26 36.88,27.48 38.61,27.48 38.88,27.75 38.88,28.07 U9.V13
SN_LCLK_N1_SNOW4-4: length 8.1
  SIGNAL_L3 w0.081: U14.A6 68.29,24.28 68.83,24.28 69.03,24.48 69.03,24.51 69.06,24.53 69.06,24.56 69.06,25.36 71.15,27.45 72.99,27.45 73.26,27.72 73.26,28.05 U13.V13
SN_LCLK_N2: length 8
  SIGNAL_L3 w0.081: U8.V13 56.08,45.27 56.08,44.95 55.81,44.68 54.08,44.68 51.86,42.46 51.86,41.73 51.63,41.5 51.1,41.5 50.72,41.88 U15.A6
SN_LCLK_N3: length 8
  SIGNAL_L3 w0.081: U13.A6 67.91,41.88 68.28,41.51 68.84,41.51 69.08,41.75 69.08,42.48 71.28,44.68 73.01,44.68 73.28,44.95 73.28,45.27 U6.V13
SN_LCLK_P0: length 6.4
  SIGNAL_L3 w0.081: U4.V12 21.35,45.22 21.35,45.09 21.27,45.01 19.64,45.01 17.15,42.52 17.15,41.94 U11.A7
SN_LCLK_P0_SNOW4-1: length 6.4
  SIGNAL_L3 w0.081: U3.V12 21.33,62.44 21.33,62.26 21.23,62.16 19.59,62.16 17.13,59.69 17.13,59.12 U4.A7
SN_LCLK_P0_SNOW4-2: length 6.4
  SIGNAL_L3 w0.081: U7.V12 55.73,62.45 55.73,62.32 55.19,61.78 53.51,61.78 51.53,59.79 51.53,59.19 51.49,59.16 U8.A7
SN_LCLK_P0_SNOW4-3: length 6.4
  SIGNAL_L3 w0.081: U12.A7 17.15,24.74 17.15,25.32 19.61,27.78 21.21,27.78 21.32,27.89 21.32,28.05 U11.V12
SN_LCLK_P0_SNOW4-4: length 6.5
  SIGNAL_L3 w0.081: U16.A7 51.54,24.73 51.54,25.41 53.94,27.81 55.67,27.81 55.75,27.89 55.75,28.02 U15.V12
SN_LCLK_P1: length 6.4
  SIGNAL_L3 w0.081: U9.A7 34.33,41.92 34.33,42.63 36.71,45.01 38.41,45.01 38.53,45.13 38.53,45.24 U2.V12
SN_LCLK_P1_SNOW4-1: length 6.4
  SIGNAL_L3 w0.081: U1.V12 38.53,62.45 38.53,62.31 38.23,62.01 36.61,62.01 34.33,59.73 34.33,59.12 U2.A7
SN_LCLK_P1_SNOW4-2: length 6.3
  SIGNAL_L3 w0.081: U6.A7 68.73,59.12 68.73,59.59 70.74,61.61 72.21,61.61 72.93,62.33 72.93,62.44 U5.V12
SN_LCLK_P1_SNOW4-3: length 6.5
  SIGNAL_L3 w0.081: U10.A7 34.3,24.67 34.33,24.67 34.33,25.39 36.74,27.81 38.47,27.81 38.55,27.89 38.55,28.02 U9.V12
SN_LCLK_P1_SNOW4-4: length 6.5
  SIGNAL_L3 w0.081: U14.A7 68.73,24.72 68.73,25.49 71.01,27.78 72.85,27.78 72.93,27.86 72.93,28.04 U13.V12
SN_LCLK_P2: length 6.5
  SIGNAL_L3 w0.081: U8.V12 55.75,45.22 55.75,45.09 55.67,45.01 53.94,45.01 51.53,42.59 51.53,41.92 U15.A7
SN_LCLK_P3: length 6.5
  SIGNAL_L3 w0.081: U13.A7 68.73,41.92 68.73,41.99 68.75,42.02 68.75,42.62 71.14,45.01 72.87,45.01 72.95,45.09 72.95,45.22 U6.V12
SN_WAIT_RD_N0: length 6.2
  SIGNAL_L9 w0.083: U4.U10 19.9,45.87 19.9,45.88 20.43,45.88 20.7,45.61 20.7,41.49 U11.B11
SN_WAIT_RD_N0_SNOW4-1: length 6.2
  SIGNAL_L9 w0.083: U4.B11 20.7,58.69 20.7,62.81 20.43,63.08 19.9,63.08 19.9,63.07 U3.U10
SN_WAIT_RD_N0_SNOW4-2: length 5.9
  SIGNAL_L9 w0.083: U8.B11 55.1,58.69 55.1,61.48 54.3,62.28 54.3,63.07 U7.U10
SN_WAIT_RD_N0_SNOW4-3: length 6.2
  SIGNAL_L9 w0.083: U11.U10 19.9,28.67 19.9,28.68 20.43,28.68 20.7,28.41 20.7,24.29 U12.B11
SN_WAIT_RD_N0_SNOW4-4: length 6.2
  SIGNAL_L9 w0.083: U15.U10 54.3,28.67 54.3,28.68 54.83,28.68 55.1,28.41 55.1,24.29 U16.B11
SN_WAIT_RD_N1: length 6.2
  SIGNAL_L9 w0.083: U9.B11 37.9,41.49 37.9,45.61 37.63,45.88 37.1,45.88 37.1,45.87 U2.U10
SN_WAIT_RD_N1_SNOW4-1: length 6.2
  SIGNAL_L9 w0.083: U1.U10 37.1,63.07 37.1,63.08 37.63,63.08 37.9,62.81 37.9,58.69 U2.B11
SN_WAIT_RD_N1_SNOW4-2: length 6.2
  SIGNAL_L9 w0.083: U6.B11 72.3,58.69 72.3,62.81 72.03,63.08 71.5,63.08 71.5,63.07 U5.U10
SN_WAIT_RD_N1_SNOW4-3: length 6.2
  SIGNAL_L9 w0.083: U10.B11 37.9,24.29 37.9,28.41 37.63,28.68 37.1,28.68 37.1,28.67 U9.U10
SN_WAIT_RD_N1_SNOW4-4: length 6.2
  SIGNAL_L9 w0.083: U13.U10 71.5,28.67 71.5,28.68 72.03,28.68 72.3,28.41 72.3,24.29 U14.B11
SN_WAIT_RD_N2: length 6.2
  SIGNAL_L9 w0.083: U15.B11 55.1,41.49 55.1,45.61 54.83,45.88 54.3,45.88 54.3,45.87 U8.U10
SN_WAIT_RD_N3: length 6.2
  SIGNAL_L9 w0.083: U6.U10 71.5,45.87 71.5,45.88 72.03,45.88 72.3,45.61 72.3,41.49 U13.B11
SN_WAIT_RD_P0: length 8.9
  SIGNAL_L9 w0.083: U4.U9 19.09,46.68 21.23,46.68 21.5,46.41 21.5,45.06 21.88,44.68 21.88,42.45 21.47,42.04 21.47,41.46 U11.B12
